# Allegro board RK3576_Template_LP5D315P132SD8_25x36_2400MHz_H1R6_V11_20240530YWQ.brd (continued)
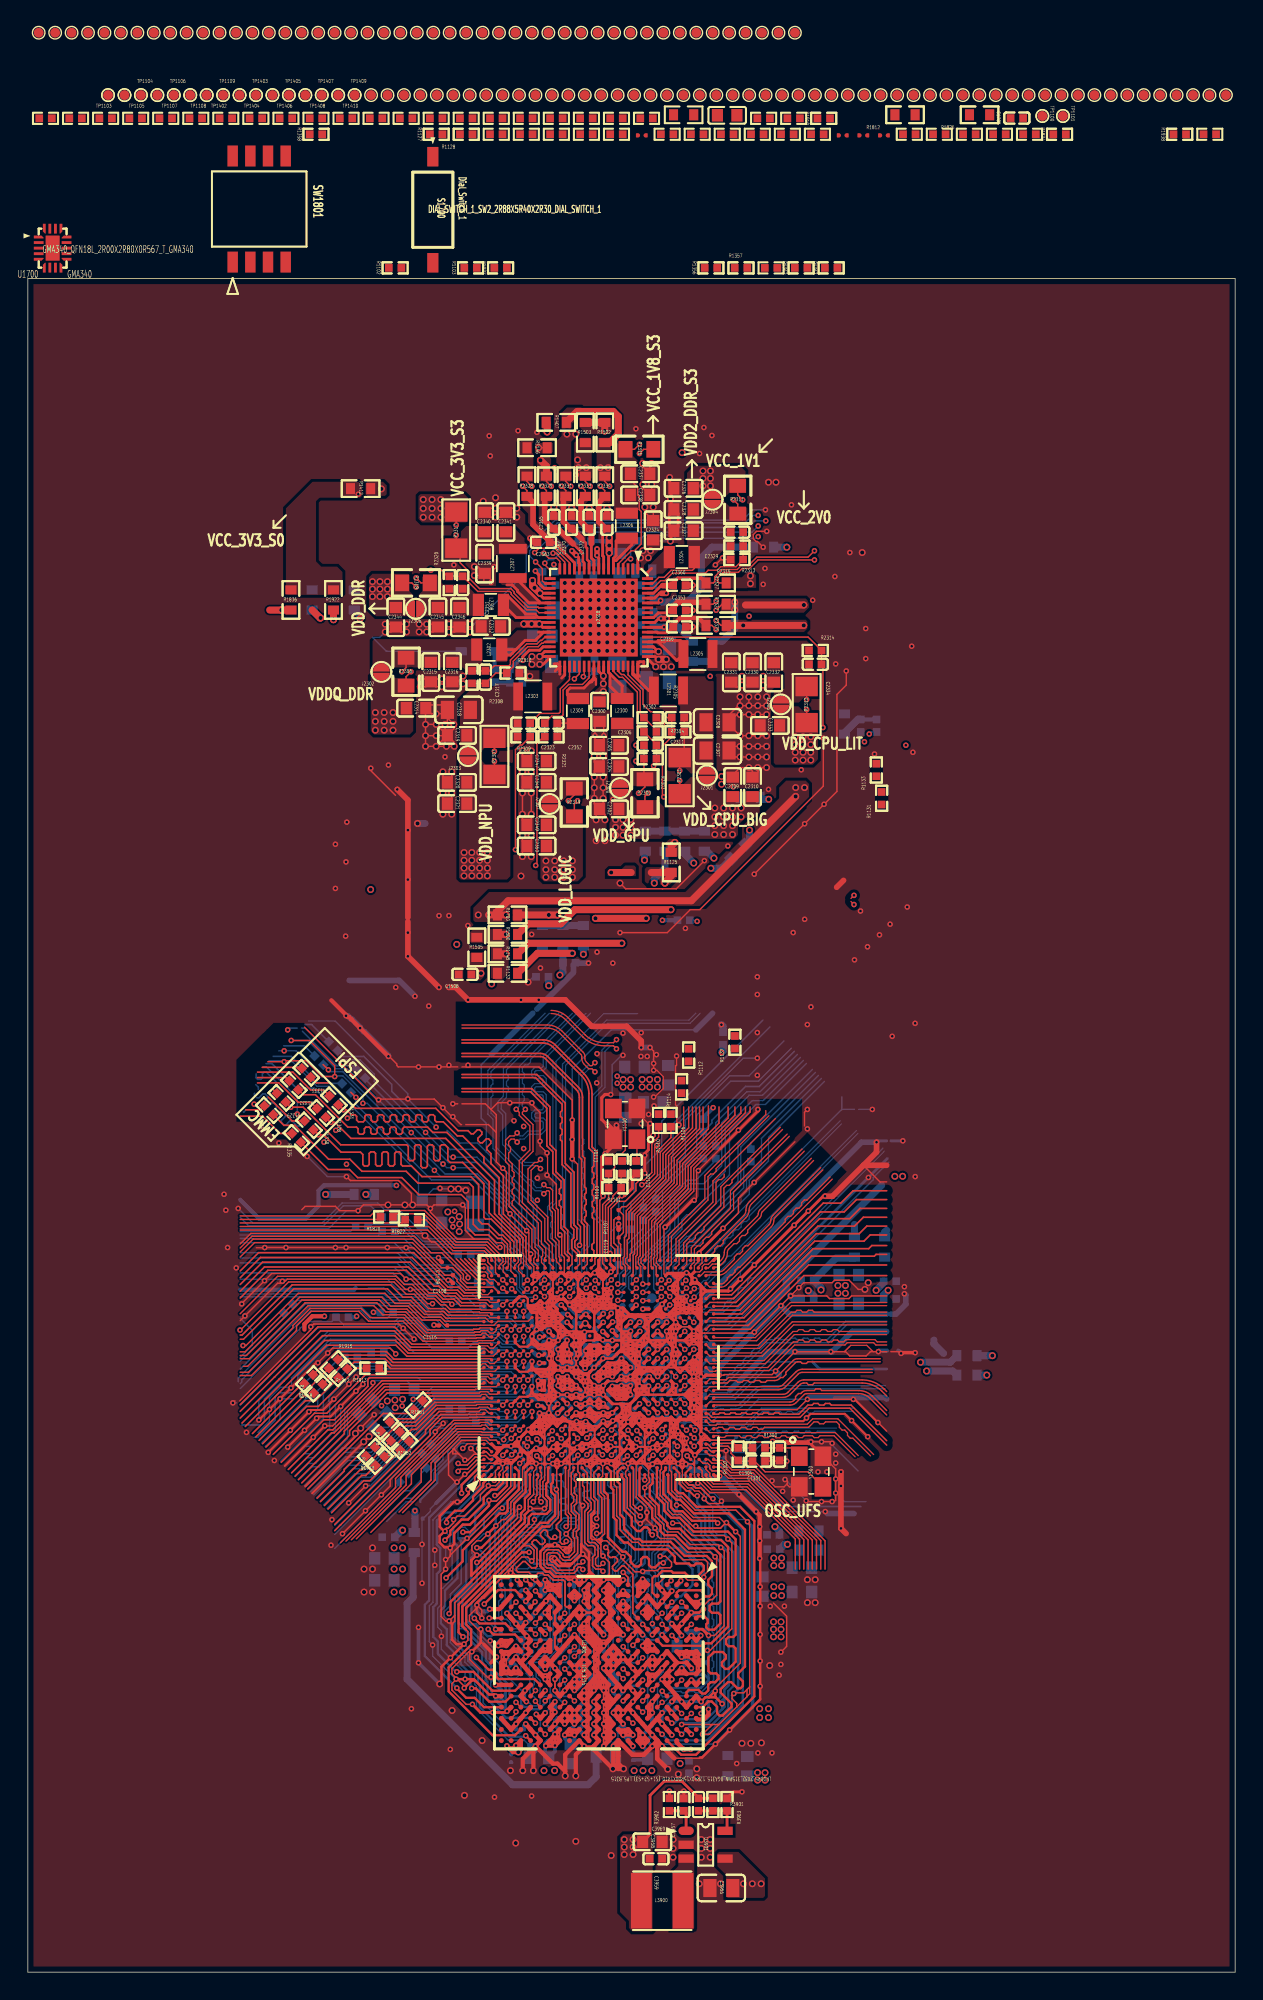
[diagram p0: board, top side]
## Routing (per net, layer and track width the routed paths; a pad name or vN(x,y) marks a point on that pad's centre or on a via; arc(x,y) is an arc through that point) (continued)
LPDDR5_A0_B: length 20.3
  TOP w0.114: U1000.L1 38.32,35.69 38.32,32.48 37.97,32.13 37.97,31.88 38.25,31.6 38.25,30.89 38.38,30.76 38.56,30.76 38.68,30.87 v1(38.68,30.95)
  TOP w0.165: U3900.R12 v1(38.57,19.38)
  BOTTOM w0.114: v1(38.57,19.38) 38.4,19.38 37.97,19.81 37.82,19.81 37.53,20.09 37.53,22.07 38.91,23.45 38.91,29.02 38.79,29.13 38.72,29.13 38.61,29.25 38.61,29.48 38.72,29.59 38.79,29.59 38.91,29.7 38.91,29.93 38.79,30.05 38.72,30.05 38.61,30.16 38.61,30.39 38.72,30.5 39.05,30.5 39.16,30.62 39.16,30.84 39.05,30.95 v1(38.68,30.95)
LPDDR5_A1_A: length 21.4
  TOP w0.114: v1(40.87,32.58) 40.95,32.66 40.95,33.87 40.66,34.15 40.66,35.88 U1000.1N1 ; U3900.H5 v1(42.77,24.98)
  L6-SIG w0.091: v1(42.77,24.98) 42.77,25.37 43.14,25.75 43.14,28.81 42.27,29.68 41.85,29.68 41.67,29.87 41.67,30 41.9,30.23 41.9,30.66 41.68,30.88 41.37,30.88 41.02,30.53 41.02,30.09 40.93,30 40.8,30 40.66,30.14 40.66,30.77 41.27,31.39 41.27,35.05 41.15,35.18 40.99,35.18 40.87,35.06 v1(40.87,32.58)
LPDDR5_A1_B: length 21
  TOP w0.114: U3900.P11 v1(39.27,19.48) ; v1(38.68,32.02) 38.82,32.16 38.82,32.73 38.63,32.92 38.63,36.23 U1000.1J1
  BOTTOM w0.114: v1(38.68,32.02) 38.83,32.17 39.4,32.17 39.51,32.05 39.51,31.79 39.4,31.67 39.23,31.67 39.12,31.56 39.12,31.33 39.23,31.22 39.4,31.22 39.51,31.1 39.51,29.98 39.28,29.75 39.28,28.67 39.62,28.32 39.62,26.29 39.37,26.03 39.37,25.65 39.62,25.4 39.62,23.26 39.41,23.05 39.16,23.05 38.91,22.8 38.91,22.44 38.71,22.25 38.38,22.25 38.21,22.08 38.21,20.08 38.48,19.81 38.94,19.81 v1(39.27,19.48)
LPDDR5_A2_A: length 22.1
  TOP w0.114: U3900.G8 v1(44.17,22.58) ; U1000.1R3 v1(41.93,37.15)
  L6-SIG w0.091: v1(44.17,22.58) 44.41,22.58 44.5,22.68 44.5,25.39 44.59,25.48 44.74,25.48 44.83,25.57 44.83,25.76 44.74,25.85 44.59,25.85 44.5,25.94 44.5,26.12 44.59,26.21 44.74,26.21 44.83,26.3 44.83,26.49 44.74,26.58 44.59,26.58 44.5,26.67 44.5,26.85 44.59,26.94 44.74,26.94 44.83,27.04 44.83,27.22 44.74,27.31 44.59,27.31 44.5,27.4 44.5,29.04 43.84,29.7 43.84,30.64 43.71,30.77 43.42,30.77 42.45,31.73 42.45,33.38 42.54,33.47 42.63,33.47 42.73,33.56 42.73,33.77 42.63,33.86 42.51,33.86 42.42,33.95 42.42,34.13 42.51,34.23 42.63,34.23 42.73,34.32 42.73,34.5 42.63,34.59 42.51,34.59 42.42,34.68 42.42,34.87 42.51,34.96 42.63,34.96 42.73,35.05 42.73,35.23 42.63,35.32 42.51,35.32 42.42,35.41 42.42,35.6 42.51,35.69 42.63,35.69 42.73,35.78 42.73,35.87 42.73,35.98 42.64,36.07 42.38,36.07 42.29,36.16 42.29,36.83 42.67,37.21 42.67,37.88 42.58,37.97 42.38,37.97 42.29,37.88 42.29,37.5 v1(41.93,37.15)
LPDDR5_A2_B: length 22.6
  TOP w0.114: U1000.1J3 v1(38.35,37.17) ; U3900.R8 v1(38.57,22.58)
  L6-SIG w0.091: v1(38.57,22.58) 38.48,22.67 38.48,22.86 38.67,23.05 38.67,23.18 38.48,23.37 38.48,23.53 38.95,24 38.95,24.37 39.14,24.56 39.53,24.56 39.62,24.65 39.62,28.29 39.33,28.59 39.33,29.97 39.73,30.37 40.17,30.37 40.26,30.46 40.26,31 40.17,31.09 40.06,31.09 39.97,31.18 39.97,31.37 40.06,31.46 40.17,31.46 40.26,31.55 40.26,31.73 40.17,31.82 40.06,31.82 39.97,31.91 39.97,32.1 40.06,32.19 40.17,32.19 40.26,32.28 40.26,32.46 40.17,32.55 40.06,32.55 39.97,32.65 39.97,32.83 40.06,32.92 40.38,32.92 40.47,33.01 40.47,33.23 40.38,33.32 40.33,33.32 40.24,33.41 40.24,33.6 40.33,33.69 40.38,33.69 40.47,33.78 40.47,33.96 40.38,34.05 40.33,34.05 40.24,34.15 40.24,34.33 40.33,34.42 40.38,34.42 40.47,34.51 40.47,34.69 40.38,34.79 40.33,34.79 40.24,34.88 40.24,35.06 40.33,35.15 40.38,35.15 40.47,35.24 40.47,35.47 40.38,35.56 40.04,35.56 39.94,35.66 39.94,35.79 40.05,35.89 40.05,36.02 39.92,36.15 39.79,36.15 39.68,36.05 39.55,36.05 38.86,36.74 38.86,36.96 38.95,37.04 38.95,37.87 38.86,37.97 38.73,37.97 38.61,37.85 38.61,37.23 38.52,37.13 38.39,37.13 v1(38.35,37.17)
LPDDR5_A3_A: length 22.5
  TOP w0.114: v1(43.08,37.09) 43.08,37.09 U1000.1T2
  TOP w0.305: U3900.H11 v1(42.77,19.48)
  L6-SIG w0.091: v1(42.77,19.48) 43.03,19.48 43.45,19.91 44.31,19.91 44.5,20.1 44.5,20.37 44.79,20.67 44.96,20.67 45.2,20.9 45.2,23.18 45.29,23.27 45.5,23.27 45.59,23.36 45.59,23.55 45.5,23.64 45.29,23.64 45.2,23.73 45.2,27.4 44.84,27.75 44.84,29.19 44.18,29.85 44.18,31.02 44.09,31.11 43.56,31.11 42.8,31.87 42.8,33.02 43.07,33.29 43.07,36.05 42.77,36.35 42.77,36.79 v1(43.08,37.09)
LPDDR5_A3_B: length 21.7
  TOP w0.114: U3900.P5 v1(39.27,24.98) ; v1(37.69,37.11) U1000.1G2
  L6-SIG w0.091: v1(37.69,37.11) 37.69,37.35 37.6,37.44 37.43,37.44 37.34,37.35 37.34,36.45 36.76,35.88 36.29,35.88 36.2,35.78 36.2,34.92 36.45,34.67 36.61,34.67 36.7,34.76 36.7,35.31 37.59,36.2 38.73,36.2 39.5,35.43 39.5,35.29 39.59,35.2 39.68,35.2 39.77,35.11 39.77,34.93 39.68,34.83 39.56,34.83 39.47,34.74 39.47,34.56 39.56,34.47 39.68,34.47 39.77,34.38 39.77,34.19 39.68,34.1 39.54,34.1 39.45,34.01 39.45,30.7 38.91,30.17 38.91,27.69 39.01,27.59 39.23,27.59 39.32,27.5 39.32,27.32 39.23,27.23 39.01,27.23 38.91,27.14 38.91,26.38 39.01,26.29 39.18,26.29 39.27,26.2 v1(39.27,24.98)
LPDDR5_A4_A: length 22.2
  TOP w0.114: U1000.1M5 40.17,38.38 v1(40.16,38.38)
  TOP w0.305: U3900.G10 v1(44.17,20.98)
  L6-SIG w0.091: v1(40.16,38.38) 40.67,38.89 40.8,38.89 40.89,38.8 40.89,38.48 40.51,38.1 40.51,36.37 41.69,35.2 41.69,31.44 42.44,30.7 42.44,30.57 42.32,30.45 42.32,30.32 42.45,30.19 42.58,30.19 42.7,30.31 42.83,30.31 43.1,30.04 43.1,29.4 43.47,29.02 43.47,25.56 43.13,25.22 43.13,22.52 43.39,22.26 43.51,22.26 43.8,21.97 43.8,21.36 v1(44.17,20.98)
LPDDR5_A4_B: length 22.7
  TOP w0.114: v1(36.57,38.29) 36.57,38.29 U1000.1F4 ; U3900.R6 v1(38.57,24.18)
  L6-SIG w0.091: v1(38.57,24.18) 38.57,24.53 38.9,24.85 38.9,25.92 38.71,26.11 38.7,26.11 38.55,26.26 38.55,29.39 38.46,29.49 38.28,29.49 38.19,29.58 38.19,29.76 38.28,29.85 38.46,29.85 38.55,29.94 38.55,30.08 38.46,30.17 38.19,30.17 38.1,30.26 38.1,30.45 38.22,30.58 38.83,30.58 39.08,30.82 39.08,35.15 38.55,35.67 37.51,35.67 36.94,35.1 36.94,34.45 36.85,34.36 36.31,34.36 35.94,34.73 35.94,35.94 36.21,36.21 36.66,36.21 37.08,36.64 37.08,37.59 36.57,38.11 v1(36.57,38.29)
LPDDR5_A5_A: length 25.7
  TOP w0.114: U3900.H13 v1(43.47,17.88) ; U1000.1P5 v1(41.32,38.33)
  L6-SIG w0.091: v1(43.47,17.88) 43.12,18.24 43.12,18.78 42.91,18.98 42.61,18.98 42.4,19.2 42.4,19.77 42.52,19.89 42.91,19.89 43.15,20.12 43.15,20.37 43.35,20.57 44.22,20.57 44.5,20.85 44.5,21.97 44.24,22.22 43.94,22.22 43.81,22.35 43.81,29.17 43.44,29.54 43.44,30.18 41.97,31.66 41.97,35.81 41.58,36.2 41.15,36.2 40.89,36.45 40.89,37.91 v1(41.32,38.33)
LPDDR5_A5_B: length 23.5
  TOP w0.114: U3900.P3 38.7,26.23 38.59,26.35 38.59,28.05 38.47,28.17 37.75,28.17 37.39,28.52 37.12,28.52 36.98,28.66 36.66,28.66 36.52,28.52 36.2,28.52 35.99,28.72 35.24,28.72 35.1,28.86 35.1,29.02 35.57,29.5 35.73,29.5 36.2,29.04 36.46,29.04 36.58,29.15 36.58,30.39 36.23,30.74 36.23,30.9 36.37,31.03 36.53,31.03 36.83,30.73 36.99,30.73 37.15,30.89 37.15,31.05 36.83,31.37 36.83,31.53 37.06,31.76 37.22,31.76 37.34,31.64 37.34,31.37 37.58,31.12 37.74,31.12 v1(37.86,31.24) ; U1000.1K5 39.22,38.63 v1(39.5,38.35)
  BOTTOM w0.114: v1(37.86,31.24) 38.17,31.24 38.31,31.38 38.31,31.59 38.06,31.84 38.06,32.19 38.49,32.63 39.27,32.63 39.39,32.74 39.39,32.95 39.27,33.06 39.22,33.06 39.1,33.17 39.1,33.4 39.22,33.52 39.27,33.52 39.39,33.63 39.39,33.86 39.27,33.97 39.22,33.97 39.1,34.09 39.1,34.32 39.22,34.43 39.27,34.43 39.39,34.55 39.39,35.19 38.95,35.63 38.95,37.8 v1(39.5,38.35)
LPDDR5_A6_A: length 23.1
  TOP w0.114: U1000.1R5 v1(41.92,38.33) ; U3900.G12 v1(44.17,18.68)
  BOTTOM w0.114: v1(44.17,18.68) 44.53,19.05 44.53,23.55 44.19,23.9 43.92,23.9 43.81,24.01 43.81,24.39 43.56,24.64 43.22,24.64 43.11,24.75 43.11,25.69 43.11,26.11 42.93,26.29 42.56,26.29 42.43,26.42 42.43,28.95 43.36,29.88 43.36,31.79 42.98,32.17 42.98,35.67 42.29,36.36 42.29,37.96 v1(41.92,38.33)
LPDDR5_A6_B: length 23.9
  TOP w0.114: U3900.R4 v1(38.57,25.78) ; v1(38.32,38.33) U1000.1H5
  BOTTOM w0.114: v1(38.32,38.33) 38.71,37.94 38.71,36.42 38.48,36.19 38.48,35.87 38.37,35.76 37.96,35.76 37.85,35.64 37.85,35.41 37.96,35.3 38.37,35.3 38.48,35.18 38.48,34.92 38.71,34.68 38.71,34.15 38.6,34.04 38.32,34.04 38.21,33.92 38.21,33.75 38.32,33.63 38.62,33.63 38.73,33.52 38.73,33.29 38.62,33.18 38.32,33.18 38.21,33.06 38.21,32.86 37.69,32.34 37.69,31.86 37.57,31.75 37.34,31.75 37.17,31.58 37.17,31.42 37.47,31.11 37.47,30.52 37.3,30.35 37.08,30.35 36.97,30.46 36.97,31.11 36.7,31.37 35.64,31.37 35.53,31.25 35.53,30.86 35.64,30.75 36.31,30.75 36.58,30.48 36.58,29.71 36.69,29.59 37.35,29.59 37.46,29.7 37.46,29.96 37.84,30.34 38,30.34 38.2,30.14 38.2,28.98 38.61,28.58 38.61,25.82 v1(38.57,25.78)
LPDDR5_CLKN_A: length 21.7
  TOP w0.107: U3900.J9 v1(42.77,21.08) ; v1(41.32,28.8) 41.16,28.96 40.8,28.96 40.56,29.19 40.56,29.8 40.74,29.98 40.74,30.53 40.64,30.64 40.25,30.64 40.01,30.88 40.01,33.09 40.25,33.32 40.25,33.64 39.97,33.91 39.97,34.84 39.86,34.95 39.86,35.26 39.97,35.38 39.97,35.68 U1000.P1
  L6-SIG w0.097: v1(42.77,21.08) 42.58,21.28 42.37,21.28 42.32,21.22 40.74,21.22 40.47,21.49 40.47,22.18 40.74,22.45 42.01,22.45 42.16,22.6 42.16,22.87 41.95,23.08 41.95,23.65 41.73,23.87 41.73,24.59 41.94,24.8 41.94,25.37 41.73,25.58 41.73,26.11 42.11,26.49 42.11,26.92 41.94,27.08 41.94,27.7 42.16,27.92 42.16,28.17 41.95,28.38 41.95,28.84 41.83,28.96 41.48,28.96 v1(41.32,28.8)
LPDDR5_CLKN_B: length 22.3
  TOP w0.107: U3900.N7 v1(39.27,22.68) ; v1(39.88,29.49) 39.88,29.43 39.77,29.32 39.48,29.32 39.24,29.08 39.24,28.99 39.14,28.88 38.06,28.88 37.69,29.25 37.4,29.25 37.3,29.35 37.3,30.01 37.4,30.12 38.02,30.12 38.23,29.91 38.23,29.83 38.47,29.59 38.98,29.59 39.5,30.11 39.5,31.23 39.41,31.32 39.41,31.65 39.6,31.83 39.6,32.86 39.27,33.19 39.27,33.53 39.44,33.7 39.44,34.24 39.27,34.42 39.27,34.79 39.38,34.9 39.38,35.21 39.27,35.32 39.27,35.63 U1000.N1
  L6-SIG w0.097: v1(39.88,29.49) 40.02,29.49 40.5,29.49 40.76,29.23 40.76,28.57 41.02,28.3 41.02,27.88 40.78,27.64 40.78,26.43 41.02,26.19 41.02,25.48 40.78,25.24 40.78,24.83 41.02,24.59 41.02,23.88 40.13,22.99 39.58,22.99 v1(39.27,22.68)
LPDDR5_CLKP_A: length 21.9
  TOP w0.107: v1(41.32,29.37) 41.13,29.18 40.9,29.18 40.79,29.29 40.79,29.71 40.97,29.88 40.97,30.62 40.73,30.86 40.34,30.86 40.23,30.97 40.23,32.99 40.47,33.23 40.47,33.73 40.2,34 40.2,35.86 U1000.1L1 ; U3900.H9 v1(42.77,21.78)
  L6-SIG w0.097: v1(42.77,21.78) 42.52,21.53 42.27,21.53 42.21,21.47 40.84,21.47 40.72,21.59 40.72,22.08 40.84,22.19 42.12,22.19 42.41,22.49 42.41,22.97 42.2,23.19 42.2,23.76 41.99,23.98 41.99,24.48 42.2,24.69 42.2,25.47 41.99,25.68 41.99,26.01 42.36,26.38 42.36,27.03 42.2,27.19 42.2,27.59 42.42,27.81 42.42,28.27 42.2,28.49 42.2,28.94 41.94,29.21 41.48,29.21 v1(41.32,29.37)
LPDDR5_CLKP_B: length 22.4
  TOP w0.107: U1000.1K1 39.22,36.05 39.04,35.87 39.04,34.32 39.22,34.15 39.22,33.79 39.04,33.62 39.04,33.09 39.37,32.76 39.37,31.93 39.19,31.74 39.19,31.23 39.28,31.14 39.28,30.2 38.89,29.81 38.56,29.81 38.46,29.92 38.46,30 38.12,30.34 37.31,30.34 37.07,30.11 37.07,29.26 37.31,29.02 37.6,29.02 37.96,28.66 39.23,28.66 39.47,28.9 39.47,28.99 39.57,29.1 39.71,29.1 v1(39.88,28.93) ; U3900.P7 v1(39.27,23.38)
  L6-SIG w0.097: v1(39.27,23.38) 39.41,23.25 40.03,23.25 40.14,23.36 40.14,23.52 40.37,23.75 40.53,23.75 40.77,23.99 40.77,24.48 40.52,24.72 40.52,25.34 40.77,25.59 40.77,26.08 40.52,26.32 40.52,27.74 40.77,27.99 40.77,28.2 40.5,28.46 40.5,29.13 40.39,29.24 40.15,29.24 39.88,28.96 v1(39.88,28.93)
LPDDR5_CS0_A: length 21.3
  TOP w0.114: U3900.H7 v1(42.77,23.38) ; U1000.1N3 v1(41.28,37.17)
  BOTTOM w0.114: v1(42.77,23.38) 42.85,23.31 42.85,23.1 42.73,22.99 42.62,22.99 42.37,22.74 42.16,22.74 42.04,22.85 42.04,24.01 42.42,24.38 42.42,25.84 42.01,26.24 42.01,29.14 42.16,29.29 42.16,29.74 42.51,30.09 42.51,30.24 42.63,30.36 42.83,30.36 42.95,30.47 42.95,30.7 42.83,30.82 42.63,30.82 42.51,30.93 42.51,31.16 42.63,31.27 42.83,31.27 42.95,31.39 42.95,31.62 42.83,31.73 42.63,31.73 42.51,31.84 42.51,34.75 42.4,34.87 41.77,34.87 41.66,34.98 41.66,35.21 41.77,35.32 42.35,35.32 42.46,35.44 42.46,35.6 42.08,35.99 41.83,35.99 41.61,35.77 41.45,35.77 40.89,36.32 40.89,37.11 41.01,37.23 41.23,37.23 v1(41.28,37.17)
LPDDR5_CS0_B: length 20.3
  TOP w0.114: U3900.P9 v1(38.57,21.78) ; U1000.1K2 v1(39.52,37.13)
  BOTTOM w0.114: v1(38.57,21.78) 38.74,21.78 39.13,22.17 39.44,22.17 39.61,22.34 39.61,22.75 40,23.14 40.1,23.14 40.31,22.93 40.48,22.93 40.65,23.1 40.65,23.51 40.53,23.62 40.25,23.62 40.13,23.74 40.13,23.88 40.6,24.34 40.6,30.01 40.01,30.61 40.01,33.15 40.4,33.55 40.4,33.98 40.28,34.09 40,34.09 39.88,34.21 39.88,34.43 40,34.55 40.28,34.55 40.4,34.66 40.4,35.04 40.26,35.18 39.99,35.18 39.88,35.29 39.88,35.56 39.5,35.94 39.5,37.11 v1(39.52,37.13)
LPDDR5_CS1_A: length 23
  TOP w0.114: U1000.1N5 v1(41.32,38.93) ; U3900.G6 v1(43.47,23.48)
  BOTTOM w0.114: v1(41.32,38.93) 41,38.61 40.64,38.61 40.52,38.49 40.52,36.08 41.28,35.32 41.28,34.53 41.4,34.42 42.03,34.42 42.14,34.3 42.14,30.48 41.71,30.05 41.71,25.86 42.04,25.53 42.04,24.51 41.71,24.18 41.71,22.43 41.91,22.22 43.7,22.22 43.82,22.34 43.82,23.14 v1(43.47,23.48)
LPDDR5_CS1_B: length 20.7
  TOP w0.114: v1(40.17,37.18) 40.17,37.18 U1000.1M3 ; U3900.R10 v1(38.57,20.98)
  BOTTOM w0.114: v1(38.57,20.98) 38.57,20.69 38.69,20.57 39.49,20.57 39.61,20.69 39.61,21.95 39.83,22.17 40.4,22.17 40.98,22.76 40.98,30.23 40.3,30.91 40.3,32.81 40.77,33.28 40.77,35.13 39.76,36.14 39.76,36.78 40.17,37.18 v1(40.17,37.18)
LPDDR5_DMI0_A: length 19.2
  TOP w0.165: U1000.1V1 43.94,36.15 43.94,34.23 44.86,33.32 44.86,32.65 45.44,32.06 45.44,31.68 45.74,31.39 46.55,31.39 47.49,30.45 49.31,30.45 49.76,30 49.76,26.64 49.59,26.48 49.15,26.48 48.98,26.31 48.98,25.98 49.15,25.81 49.59,25.81 49.76,25.65 49.76,25.05 49.31,24.6 48.91,24.6 48.74,24.77 48.74,24.99 48.84,25.09 48.84,25.33 48.61,25.56 48.15,25.56 U3900.A4
LPDDR5_DMI0_B: length 24.6
  TOP w0.102: U1000.B4 33.05,37.66 32.42,37.66 v1(32.39,37.63)
  TOP w0.165: U3900.AA12 32.77,19.03 32.1,19.71 31.49,19.71 30.82,20.38 v1(30.82,20.41)
  BOTTOM w0.165: v1(30.82,20.41) 28.52,22.71 28.52,26.39 28.83,26.7 28.83,32.65 31.24,35.06 31.25,35.06 32.39,36.2 v1(32.39,37.63)
LPDDR5_DMI1_A: length 26.8
  TOP w0.165: U1000.AE1 46.01,35.69 46.01,34.51 46.58,33.94 46.87,33.94 47.85,32.96 50.35,32.96 51.52,31.79 51.52,21.95 51.03,21.46 51.03,21.23 51.38,20.89 51.38,20.56 51.21,20.4 50.98,20.4 50.54,20.84 50.3,20.84 49.77,20.31 49.77,20.08 50.56,19.29 50.56,19.06 49.93,18.43 49.69,18.43 49.52,18.61 49.52,19.06 49.13,19.45 48.9,19.45 48.48,19.03 U3900.A12
LPDDR5_DMI1_B: length 15.7
  TOP w0.102: U1000.1B1 34.42,36.12 34.15,35.85 34.15,35.57
  TOP w0.165: v1(33.15,25.43) U3900.AA4 ; v1(29.97,31.04) 30.36,31.42 30.36,31.71 31.16,32.51 31.62,32.51 32.75,33.64 32.75,34.1 33.32,34.67 33.66,34.67 34.15,35.16 34.15,35.57
  L6-SIG w0.145: v1(33.15,25.43) 32.77,25.81 32.52,25.81 32.34,25.99 32.11,25.99 31.75,26.35 31.75,26.67 30.63,27.79 30.63,29.55 29.84,30.34 29.84,30.91 v1(29.97,31.04)
LPDDR5_DQ0_A: length 16.5
  TOP w0.165: U1000.W1 42.67,35.73 42.67,35.56 42.84,35.4 42.84,33.21 43.39,32.66 43.39,32.08 43.78,31.69 44.01,31.69 44.27,31.95 44.5,31.95 44.68,31.77 44.68,31.57 44.84,31.41 v1(44.87,31.41) ; U3900.D1 v1(46.21,28.13)
  L6-SIG w0.145: v1(46.21,28.13) 46.21,27.96 46.07,27.81 45.49,27.81 45.34,27.96 45.34,28.86 45.49,29 46.06,29 46.51,28.55 46.9,28.55 47.04,28.69 47.04,29.04 46.49,29.59 46.03,29.59 45.88,29.74 45.88,30.44 45.72,30.59 45.45,30.59 45.31,30.45 45.31,30.29 45.06,30.04 44.83,30.04 44.68,30.18 44.68,30.72 44.83,30.86 45.07,30.86 45.21,31.01 45.21,31.26 45.06,31.41 v1(44.87,31.41)
LPDDR5_DQ0_B: length 25.3
  TOP w0.137: U1000.1D2 35.33,36.55 v1(35.33,36.55)
  TOP w0.165: U3900.V15 v1(35.77,16.98)
  BOTTOM w0.165: v1(35.33,36.55) 35.33,35.16 32.77,32.59 32.77,31.83 31.5,30.56 31.5,27.92 30.68,27.1 30.68,23.69 31.64,22.73 31.64,22.37 32.34,21.66 32.34,20.76 32.47,20.63 32.47,19.03 34.6,16.91 35.69,16.91 v1(35.77,16.98)
LPDDR5_DQ1_A: length 17.9
  TOP w0.165: U3900.C2 46.62,27.27 46.79,27.43 48.35,27.43 48.51,27.27 48.51,27.15 48.68,26.99 48.96,26.99 49.15,27.18 49.15,27.56 48.88,27.82 48.88,28.18 49.15,28.45 49.15,29.52 48.77,29.9 47.19,29.9 46.17,30.92 44.14,30.92 43.94,31.11 43.58,31.11 42.84,31.85 42.84,32.6 42.54,32.89 42.54,35.05 42.36,35.23 42.36,35.93 42.67,36.23 U1000.1T1
LPDDR5_DQ1_B: length 27.8
  TOP w0.137: U1000.1F2 v1(36.57,37.09)
  TOP w0.165: U3900.W14 35.01,17.02 33.38,17.02 30.23,20.17 30.23,21.9 31.85,23.51 31.85,24.62 31.49,24.98 31.49,26.15 35.5,30.16 v1(36.01,30.16)
  L6-SIG w0.145: v1(36.57,37.09) 36.45,37.09 35.37,36.01 35.37,33.88 35.72,33.53 35.72,33 36.01,32.7 v1(36.01,30.16)
LPDDR5_DQ2_A: length 18.7
  TOP w0.14: U3900.E2 45.1,27.03 44.87,27.26 44.87,28.31 45.01,28.45
  TOP w0.165: 45.01,28.45 45.21,28.45 45.58,28.81 46.23,28.81 46.36,28.69 47.21,28.69 47.5,28.4 48.07,28.4 48.56,28.89 48.56,29.19 48.4,29.35 48.01,29.35 47.87,29.22 47.64,29.22 47.5,29.35 46.59,29.35 46.48,29.46 46.48,29.83 45.94,30.37 43.6,30.37 43.11,30.86 42.83,30.86 42.29,31.4 42.29,32.45 42.07,32.68 42.07,34.64 41.89,34.81 41.89,35.96 U1000.1P1
LPDDR5_DQ2_B: length 27.8
  TOP w0.165: U1000.1G1 37.38,36.19 37.38,35.22 37.24,35.08 37.24,34.25 37.38,34.11 37.38,34.11 37.54,33.95 37.54,33.19 37.27,32.92 36.22,32.92 35.99,32.69 35.99,32.23 30.36,26.6 30.36,25.85 v1(30.27,25.76) ; U3900.U14 v1(37.17,17.08)
  L6-SIG w0.145: v1(37.17,17.08) 37.02,17.08 36.69,17.41 34.93,17.41 34.04,18.3 34.04,18.8 32.89,19.94 32.89,21.46 33.15,21.72 33.15,23.04 30.43,25.76 v1(30.27,25.76)
LPDDR5_DQ3_A: length 17.4
  TOP w0.165: U3900.D3 v1(46.27,26.58) ; v1(45.66,29.4) 45.39,29.4 45.07,29.08 44.79,29.08 44.63,29.25 44.63,29.66 44.46,29.83 44.23,29.83 44.06,29.66 44.06,29.31 43.9,29.14 43.62,29.14 43.31,29.46 43.31,29.84 42.94,30.2 42.71,30.2 41.67,31.24 41.67,34.27 41.4,34.54 41.4,35.36 41.57,35.53 U1000.U1
  BOTTOM w0.165: v1(45.66,29.4) 46.35,30.1 46.6,30.1 47.75,28.95 47.75,27.81 46.93,26.99 46.8,26.99 46.39,26.58 v1(46.27,26.58)
LPDDR5_DQ3_B: length 25.2
  TOP w0.165: U3900.V13 v1(36.47,17.88) ; U1000.K1 37.72,35.18 37.6,35.06 37.6,34.5 37.87,34.23 37.87,32.8 37.36,32.28 36.82,32.28 30.95,26.41 30.95,24.41 v1(31.26,24.09)
  BOTTOM w0.165: v1(36.47,17.88) 36.08,18.27 34.36,18.27 33.02,19.61 33.02,20.86 32.89,20.99 32.89,22.02 32.64,22.27 32.64,22.99 31.54,24.09 v1(31.26,24.09)
LPDDR5_DQ4_A: length 16.8
  TOP w0.137: U1000.1V3 v1(43.72,37.13)
  TOP w0.165: U3900.B5 v1(47.67,24.98)
  L6-SIG w0.145: v1(47.67,24.98) 47.96,25.27 48.24,25.27 48.95,25.99 48.95,28.99 47.16,30.78 47.16,31.6 46.71,32.05 46.71,32.41 46.48,32.63 46.2,32.63 45.42,33.41 44.73,33.41 44.23,33.91 43.84,33.91 43.57,34.18 43.57,36.33 43.72,36.48 v1(43.72,37.13)
LPDDR5_DQ4_B: length 24.1
  TOP w0.137: U1000.1C3 v1(34.76,37.18)
  TOP w0.165: U3900.Y11 34.32,19.43 33.15,19.43 32.19,20.39 v1(31.89,20.39)
  BOTTOM w0.165: v1(34.76,37.18) 34.48,36.9 34.48,35.37 33.78,34.67 33.35,34.67 33.1,34.42 33.04,34.42 30.56,31.93 30.56,30.93 30.86,30.63 30.86,28.31 29.97,27.41 29.97,26.29 29.68,26 29.68,25.06 30.1,24.64 30.1,23.49 31.09,22.5 31.09,22.14 31.8,21.44 31.8,20.48 v1(31.89,20.39)
LPDDR5_DQ5_A: length 19.9
  TOP w0.137: v1(44.92,38.33) U1000.1W4
  TOP w0.165: U3900.C6 v1(46.27,24.18)
  L6-SIG w0.145: v1(44.92,38.33) 44.57,37.98 44.32,37.74 44.32,36.45 44.76,36.01 44.76,34.81 46.41,33.16 46.7,33.16 47.24,32.62 47.24,32.27 47.68,31.82 47.68,31 49.47,29.21 49.47,25.79 48.26,24.58 46.67,24.58 v1(46.27,24.18)
LPDDR5_DQ5_B: length 24.8
  TOP w0.137: U1000.1B3 v1(34.12,37.13)
  TOP w0.165: v1(30.82,21.58) 32.01,21.58 33.38,20.22 35.01,20.22 U3900.W10
  BOTTOM w0.165: v1(34.12,37.13) 34.12,37.05 32.88,35.8 32.88,35.28 32.7,35.1 32.7,34.98 30.73,33.02 29.97,33.02 29.38,32.44 29.38,30.71 29.63,30.47 29.63,28.85 29.38,28.6 29.38,26.48 29.13,26.23 29.13,24.08 29.46,23.75 29.46,22.86 30.74,21.58 v1(30.82,21.58)
LPDDR5_DQ6_A: length 20.8
  TOP w0.165: U3900.E6 45.61,23.45 48.49,23.45 48.66,23.62 49.1,23.62 50.3,24.82 50.3,30.54 49.8,31.05 47.66,31.05 46.85,31.86 46.17,31.86 45.95,32.08 45.95,32.27 45.33,32.89 45.33,33.51 44.68,34.16 44.68,34.92 44.89,35.12 44.89,35.72 U1000.AC1
LPDDR5_DQ6_B: length 25.1
  TOP w0.102: v1(31.25,37.63) 31.58,37.96 32.75,37.96 U1000.A5
  TOP w0.165: v1(32.23,22.61) 32.23,22.6 33.12,21.72 33.4,21.72 33.65,21.46 33.65,21.22 33.82,21.06 36.4,21.06 U3900.U10
  L6-SIG w0.145: v1(31.25,37.63) 31.25,37.58 30.91,37.24 30.61,37.24 29.72,36.34 29.72,33.42 28.83,32.53 28.83,25.55 31.77,22.61 32.23,22.61 v1(32.23,22.61)
LPDDR5_DQ7_A: length 14.7
  TOP w0.165: U3900.F5 v1(44.17,24.98) ; U1000.AB1 v1(44.32,35.36)
  BOTTOM w0.165: v1(44.17,24.98) 44.17,25.11 44.01,25.27 43.81,25.27 43.59,25.5 43.59,25.81 43.89,26.11 43.89,26.4 43.65,26.65 43.65,26.98 43.77,27.11 43.77,27.59 43.51,27.86 43.51,28.25 43.73,28.47 43.73,29 43.94,29.21 44.15,29.21 44.32,29.38 44.32,30.36 44.17,30.51 44.17,31.84 44.46,32.14 44.69,32.14 44.86,32.3 44.86,33.18 44.65,33.38 44.65,33.71 44.86,33.91 44.86,34.11 44.61,34.35 44.38,34.35 44.2,34.17 43.98,34.17 43.81,34.34 43.81,35.3 43.98,35.46 44.21,35.46 v1(44.32,35.36)
LPDDR5_DQ7_B: length 23.3
  TOP w0.165: U3900.T11 v1(37.17,19.48) ; U1000.G1 36.07,34.38 35.71,34.01 35.71,33.24 35.43,32.97 35.43,32.49 32.37,29.43 v1(32.26,29.43)
  BOTTOM w0.165: v1(32.26,29.43) 32.26,27.91 31.22,26.87 31.22,25.18 33.18,23.21 33.18,22.5 33.57,22.12 33.57,21.61 34.6,20.58 34.6,19.98 34.76,19.81 35.34,19.81 35.44,19.71 35.44,19.27 35.66,19.05 35.99,19.05 36.15,18.89 36.73,18.89 37.17,19.33 v1(37.17,19.48)
LPDDR5_DQ8_A: length 28.7
  TOP w0.165: U3900.D15 46.93,15.62 48.01,15.62 52.19,19.81 52.19,32.41 51.18,33.43 48.05,33.43 47.07,34.41 46.78,34.41 46.52,34.66 U1000.AF1
LPDDR5_DQ8_B: length 14.2
  TOP w0.102: U1000.1A1 33.6,36.01 33.6,35.6
  TOP w0.137: 33.6,35.6 33.6,35.42 v1(33.51,35.33)
  TOP w0.165: U3900.V1 v1(35.77,28.18)
  L6-SIG w0.145: v1(33.51,35.33) 34.28,35.33 34.43,35.47 34.43,35.73 33.96,36.2 33.04,36.2 32.89,36.05 32.89,35.31 32.71,35.12 32.71,33.79 33.53,32.96 34.2,32.96 34.83,32.33 34.83,29.12 v1(35.77,28.18)
LPDDR5_DQ9_A: length 24.2
  TOP w0.137: U1000.1AB1 46.43,36.23 46.81,35.86 46.81,35.08 47.32,34.57 47.52,34.57 47.87,34.22 v1(48.1,34.22)
  TOP w0.165: U3900.C14 v1(46.97,17.08)
  BOTTOM w0.165: v1(48.1,34.22) 48.1,33.7 48.97,32.82 48.97,31.67 49.6,31.05 49.82,31.05 50.69,30.17 50.69,20.56 50.32,20.19 50.32,18.94 49.01,17.63 47.52,17.63 v1(46.97,17.08)
LPDDR5_DQ9_B: length 15.3
  TOP w0.165: v1(30.08,32.3) 30.08,32.54 30.69,33.15 31.24,33.15 31.99,33.89 31.99,34.15 32.72,34.88 32.72,35.13 U1000.B1 ; U3900.W2 35.01,27.45 33.8,27.45 v1(32.79,26.45)
  L6-SIG w0.145: v1(32.79,26.45) 32.79,26.51 31.15,28.15 31.15,29.77 30.73,30.19 30.73,30.62 30.59,30.76 30.59,31.8 v1(30.08,32.3)
LPDDR5_DQ10_A: length 26.8
  TOP w0.137: U1000.1AD1 47.25,35.86 47.25,35.25 47.5,35 47.77,35 47.99,34.78 48.37,34.78 49.13,34.02 v1(49.23,34.02)
  TOP w0.165: U3900.E14 v1(45.57,17.08)
  BOTTOM w0.165: v1(49.23,34.02) 49.23,33.9 51.37,31.76 51.37,19.21 48.8,16.65 46.01,16.65 v1(45.57,17.08)
LPDDR5_DQ10_B: length 13
  TOP w0.102: U1000.B2 33.05,36.01 32.54,36.01
  TOP w0.137: v1(32.11,35.09) 32.11,35.58 32.54,36.01
  TOP w0.165: U3900.U2 v1(36.47,27.38)
  L6-SIG w0.145: v1(32.11,35.09) 32.11,33.64 33.31,32.44 33.86,32.44 34.31,31.99 34.31,28.43 34.95,27.78 35.24,27.78 35.24,27.79 36.07,27.79 v1(36.47,27.38)
LPDDR5_DQ11_A: length 23.6
  TOP w0.165: U3900.D13 v1(46.27,17.88) ; v1(47.62,35.37) U1000.AH1
  BOTTOM w0.165: v1(47.62,35.37) 47.28,35.71 47.05,35.71 46.88,35.55 46.88,33.89 48.39,32.39 48.39,31.37 50.02,29.73 50.02,20.66 49.77,20.41 49.77,19.8 49.47,19.5 49.47,18.86 48.78,18.17 46.75,18.17 46.46,17.88 v1(46.27,17.88)
LPDDR5_DQ11_B: length 14
  TOP w0.165: U1000.A2 32.44,36.28 31.16,35.01 v1(31.16,34.4) ; U3900.V3 36.45,26.56 v1(36.45,26.61)
  L6-SIG w0.145: v1(31.16,34.4) 31.5,34.07 31.5,33.51 33.15,31.85 33.3,31.85 33.78,31.37 33.78,28.14 34.75,27.18 35.53,27.18 35.66,27.05 36,27.05 v1(36.45,26.61)
LPDDR5_DQ12_A: length 28.3
  TOP w0.165: U3900.B11 47.32,20.11 47.49,20.27 48.18,20.27 48.43,20.02 48.67,20.02 48.88,20.23 48.88,20.66 49.05,20.83 49.38,20.83 49.62,21.06 49.62,21.3 49.45,21.46 49.06,21.46 48.89,21.63 48.89,22.61 49.29,23 49.92,23 50.15,22.77 50.15,22.53 49.87,22.25 49.87,22.02 50.1,21.78 50.33,21.78 50.85,22.3 50.85,23.25 50.69,23.42 50.33,23.42 50.16,23.58 50.16,23.91 50.33,24.08 50.69,24.08 50.85,24.24 50.85,31.1 50.3,31.65 47.83,31.65 46.84,32.64 46.22,32.64 45.72,33.15 45.72,33.63 45.19,34.15 45.19,36.21 U1000.1Y1
LPDDR5_DQ12_B: length 16.5
  TOP w0.165: v1(32.08,25.42) 32.45,25.05 34.31,25.05 U3900.Y5 ; U1000.1E1 36.11,36.23 35.76,35.89 35.76,34.49 34.94,33.67 34.94,32.83 32.6,30.49 v1(32.26,30.49)
  BOTTOM w0.165: v1(32.26,30.49) 32.32,30.5 32.92,29.89 32.92,27.57 31.88,26.53 31.88,25.62 v1(32.08,25.42)
LPDDR5_DQ13_A: length 26.3
  TOP w0.137: v1(44.92,37.13) U1000.1W2
  TOP w0.165: U3900.C10 v1(46.97,20.98)
  L6-SIG w0.145: v1(44.92,37.13) 45.29,36.77 45.29,35.03 45.77,34.54 46.23,34.54 46.42,34.74 46.63,34.74 46.83,34.53 46.83,34.33 46.73,34.23 46.73,34.02 48.36,32.4 48.36,31.38 50,29.74 50,25.29 49.85,25.15 49.66,25.15 49.43,24.92 49.43,24.71 49.57,24.57 49.85,24.57 50,24.42 50,24.13 49.85,23.99 49.31,23.99 49.17,23.84 49.17,23.55 49.31,23.41 49.85,23.41 50,23.27 50,22.98 49.85,22.83 49.17,22.83 49.02,22.69 49.02,22.4 49.17,22.25 49.85,22.25 50,22.11 50,21.82 49.85,21.67 49.44,21.67 49.15,21.38 47.37,21.38 v1(46.97,20.98)
